# Altium PCB Trepanat.PcbDoc (part 1 of 3) (continued)
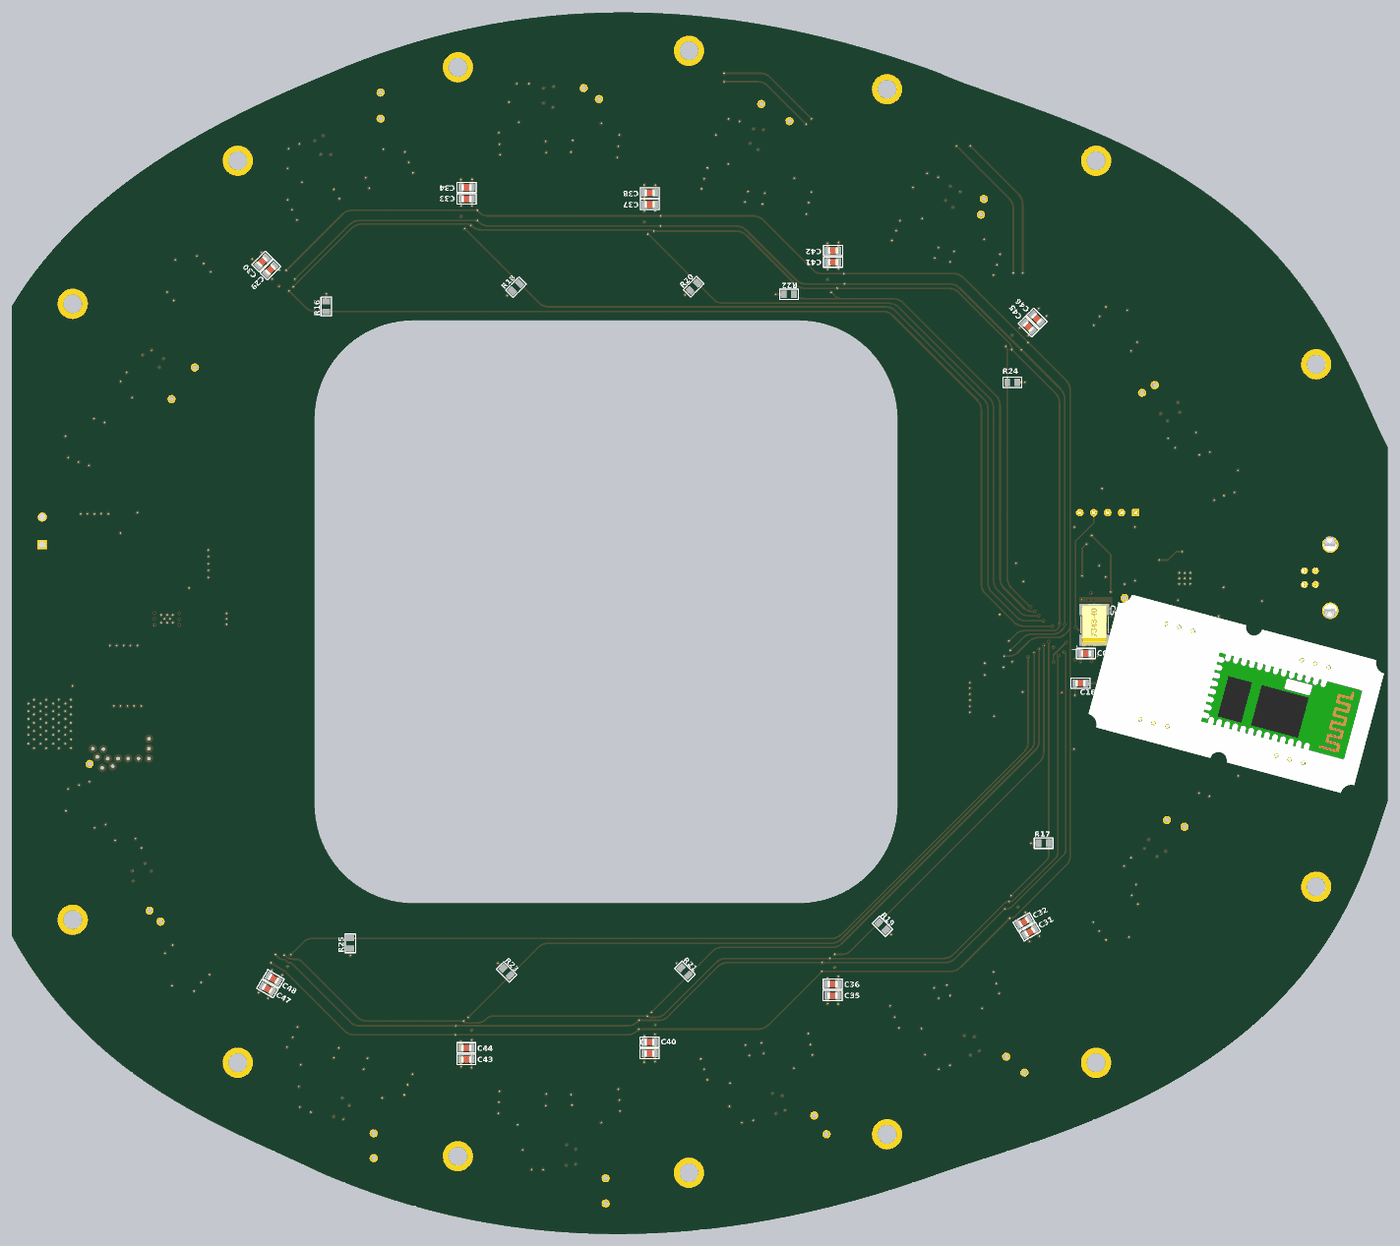
[diagram p7: 3D render of the assembled board from below, using the file's embedded part models]

## Layer stack, top to bottom
Top Solder: solder mask 0.0102, Solder Resist, Dk 3.5
Top Signal Layer: signal copper 0.0356
Dielectric 1: core 0.254, FR-4, Dk 4.2
Power Layer: signal copper 0.036
Dielectric 3: prepreg 0.127, Dk 4.2
Ground Layer: signal copper 0.036
Dielectric 2: core 0.254, Dk 4.2
Bottom Signal Layer: signal copper 0.0356
Bottom Solder: solder mask 0.0102, Solder Resist, Dk 3.5

## Board outline
539.5,595.686 538.159,597.847 536.761,599.918 535.223,602.025 533.581,604.104 531.834,606.157 529.978,608.188 528.013,610.191 525.939,612.165 523.741,614.12 521.417,616.057 518.975,617.965 516.393,619.858 513.672,621.732 510.809,623.584 507.779,625.429 504.596,627.254 501.224,629.077 497.672,630.888 493.899,632.706 489.885,634.537 485.602,636.396 481.761,638 478.616,639.313 475.455,640.542 472.294,641.684 469.123,642.741 465.942,643.715 462.751,644.607 459.547,645.416 456.33,646.144 453.1,646.79 449.493,647.414 445.867,647.937 442.219,648.362 438.549,648.686 434.855,648.91 431.135,649.034 427.389,649.058 423.613,648.979 419.808,648.798 415.972,648.514 412.102,648.126 408.197,647.631 404.257,647.029 400.279,646.319 396.261,645.498 392.203,644.565 388.102,643.517 383.958,642.354 379.768,641.071 375.532,639.668 373.202,638.851 370.865,638 370.342,637.746 369.087,637.202 366.541,636.209 355.493,632.296 351.007,630.663 347.098,629.158 343.505,627.684 340.178,626.226 337.02,624.742 334.056,623.249 331.232,621.723 328.524,620.151 325.951,618.551 323.488,616.906 321.118,615.208 318.853,613.467 316.685,611.68 314.604,609.838 312.611,607.944 310.723,606.015 308.895,604.007 307.277,602.097 305.691,600.09 304.14,597.984 302.621,595.772 301.124,593.433 299.626,590.918 298.135,588.232 296.596,585.254 295.03,582.01 291.58,574.359 290.342,571.67 289.5,570 289.5,505.621 292.431,496.888 293.495,494.056 294.621,491.316 295.759,488.788 296.937,486.391 298.125,484.176 299.348,482.08 300.66,479.998 302.004,478.02 303.525,475.952 305.154,473.902 306.898,471.867 308.728,469.883 310.641,467.955 312.644,466.076 314.743,464.241 316.95,462.443 319.255,460.69 321.657,458.987 324.172,457.323 326.806,455.697 329.56,454.111 332.473,452.545 335.506,451.024 338.662,449.55 341.983,448.104 345.549,446.654 349.392,445.192 353.499,443.728 358.038,442.202 365.04,439.954 368.664,438.775 370.865,438 374.856,436.597 378.826,435.289 382.729,434.09 386.588,432.99 390.406,431.987 394.184,431.079 397.922,430.266 401.623,429.544 405.286,428.914 408.914,428.373 412.508,427.92 416.068,427.554 419.596,427.274 423.093,427.079 426.56,426.968 429.998,426.94 433.409,426.994 436.793,427.13 440.152,427.348 443.486,427.646 446.798,428.025 450.087,428.484 453.356,429.023 456.605,429.642 459.834,430.342 463.402,431.213 466.949,432.184 470.476,433.255 473.986,434.427 477.478,435.7 480.32,436.817 483.147,438 486.558,439.608 496.378,444.099 500.31,445.99 503.837,447.786 506.943,449.468 509.753,451.092 512.366,452.702 514.819,454.315 517.128,455.936 519.321,457.581 521.4,459.246 523.374,460.937 525.261,462.665 527.237,464.604 528.962,466.42 530.63,468.295 532.233,470.222 533.759,472.185 535.215,474.196 536.598,476.249 537.889,478.316 538.706,479.714 539.5,481.153
cut-out: 484.532,575.083 484.532,505.083 484.476,503.671 484.31,502.267 484.034,500.881 483.651,499.521 483.161,498.195 482.57,496.911 481.879,495.678 481.094,494.503 480.219,493.393 479.26,492.355 478.222,491.396 477.112,490.521 475.937,489.736 474.703,489.045 473.42,488.453 472.094,487.964 470.734,487.581 469.347,487.305 467.944,487.139 466.532,487.083 396.532,487.083 395.119,487.139 393.716,487.305 392.33,487.581 390.969,487.964 389.643,488.453 388.36,489.045 387.127,489.736 385.951,490.521 384.841,491.396 383.804,492.355 382.844,493.393 381.969,494.503 381.184,495.678 380.493,496.911 379.902,498.195 379.413,499.521 379.029,500.881 378.753,502.267 378.587,503.671 378.532,505.083 378.532,575.083 378.587,576.495 378.753,577.899 379.029,579.285 379.413,580.645 379.902,581.971 380.493,583.255 381.184,584.488 381.969,585.663 382.844,586.773 383.804,587.811 384.841,588.77 385.951,589.645 387.127,590.431 388.36,591.121 389.643,591.713 390.969,592.202 392.33,592.586 393.716,592.862 395.119,593.028 396.532,593.083 466.532,593.083 467.944,593.028 469.347,592.862 470.734,592.586 472.094,592.202 473.42,591.713 474.703,591.121 475.937,590.431 477.112,589.645 478.222,588.77 479.26,587.811 480.219,586.773 481.094,585.663 481.879,584.488 482.57,583.255 483.161,581.971 483.651,580.645 484.034,579.285 484.31,577.899 484.476,576.495

## Design rules (kind name [scope] priority, off if disabled: settings)
Clearance Clearance_tracks_inner [OnLayer('Power Layer') OR OnLayer('Ground Layer')] p1: gap=0.35 // Зазоры между проводниками на внутренних слоях
Clearance Clearance_1 [All] p2: gap=0.2
ComponentClearance [All] p1: gap=0.01 collisioncheckmode=3 verticalgap=0.1 showdistances=FALSE
HoleSize [All] p1: absolutevalues=TRUE maxlimit=10 minlimit=0.3 maxpercent=80.000 minpercent=20.000
MinimumSolderMaskSliver [All] p1: minsoldermaskwidth=0.15
PolygonConnect PolygonConnect_Via [IsVia] p1: connectstyle=Direct reliefconductorwidth=0.254 reliefentries=4 polygonreliefangle="90 Angle" airgapwidth=0.2
PolygonConnect PolygonConnect_1 [All] p2: connectstyle=Relief reliefconductorwidth=0.254 reliefentries=4 polygonreliefangle="90 Angle" airgapwidth=0.254
RoutingVias [All] p1: holewidth=0.711 width=1.27 viastyle="Through Hole" minholewidth=0.711 minwidth=1.27 maxholewidth=0.711 maxwidth=1.27
SilkToSilkClearance [All] p1: silktosilkclearance=0
SilkToSolderMaskClearance [IsPad] p1: minsilkscreentomaskgap=0 clearancetoexposedcopper=TRUE
SolderMaskExpansion [All] p1: expansion=0.05
Width [All] p1: maxlimit=4 minlimit=0.2 preferedwidth=0.2
Width 3,3В [InNet('3,3В')] p2: maxlimit=2 minlimit=0.2 preferedwidth=1
Width 24В [InNet('24В')] p3: maxlimit=4 minlimit=0.2 preferedwidth=4
Width 5В [InNet('5В')] p4: maxlimit=3 minlimit=0.2 preferedwidth=3
25 further rules are at their usual default settings.

## Classes and differential pairs
component class "4 Pressure": C29 C30 C31 C32 C33 C34 C35 C36 C37 C38 C39 C40 C41 C42 C43 C44 C45 C46 C47 C48 DA4 DA5 DA6 DA7 DA8 DA9 DA10 DA11 DA12 DA13 R16 R17 R18 R19 R20 R21 R22 R23 R24 R25
component class "3 Power": C21 C22 C23 C24 C25 C26 C27 C28 DA2 DA3 FU2 KT2 L2 R14 R15 VD4 VD5 X6
component class "2 Output": C17 C18 C19 C20 DA1 DD2 FU1 R5 R6 R7 R8 R9 R10 R11 R12 R13 VD3 X2 X3 X4 X5
component class "1 MCU": C1 C2 C3 C4 C5 C6 C7 C8 C9 C10 C11 C12 C14 C15 C16 DD1 KT1 L1 R1 R2 R3 R4 S1 VD1 VD2 X1 Z1
component class "5 Sensors": C49 C50 C51 C52 C53 C54 C55 C56 C57 C58 C59 C60 C61 C62 C63 C64 C65 C66 C67 C68 C69 C70 C71 C72 C73 C74 C75 C76 C77 C78 C79 C80 C81 C82 C83 C84 C85 C86 C87 C88 C89 C90 C91 C92 C93 C94 C95 C96 C97 C98 C99 C100 C101 C102 C103 C104 C105 C106 C107 C108 C109 C110 C111 C112 C113 C114 C115 C116 C117 C118 C119 C120 C121 C122 C123 C124 C125 C126 C127 C128 C129 C130 C131 C132 DA14 DA15 DA16 DA17 DA18 DA19 DD3 DD4 DD5 DD6 DD7 DD8 DD9 DD10 DD11 DD12 DD13 DD14 KT3 KT4 KT5 KT6 KT7 KT8 KT9 KT10 KT11 KT12 KT13 KT14
component class "6 Sensors": C133 C134 C135 C136 C137 C138 C139 C140 C141 C142 C143 C144 C145 C146 C147 C148 C149 C150 C151 C152 C153 C154 C155 C156 C157 C158 C159 C160 C161 C162 C163 C164 C165 C166 C167 C168 C169 C170 C171 C172 C173 C174 C175 C176 C177 C178 C179 C180 C181 C182 C183 C184 C185 C186 C187 C188 C189 C190 C191 C192 C193 C194 C195 C196 C197 C198 C199 C200 C201 C202 C203 C204 C205 C206 C207 C208 C209 C210 C211 C212 C213 C214 C215 C216 DA20 DA21 DA22 DA23 DA24 DA25 DD15 DD16 DD17 DD18 DD19 DD20 DD21 DD22 DD23 DD24 DD25 DD26 KT15 KT16 KT17 KT18 KT19 KT20 KT21 KT22 KT23 KT24 KT25 KT26

## Components (designator, comment, footprint, x,y, rotation, side; value= is the part's Value field where it differs from the comment)
C1 "0,1мк" C0805 348.7,525.5 r270 top
C2 "0,1мк" C0805 319.3,535.6 r90 top
C3 "2,2мк" C0805 358.5,542 r90 top
C4 "2,2мк" C0805 342.9,547.3 r0 top
C5 "10мк" "TANTAL CASE D" 342.8,537.7 r90 bottom
C6 "0,1мк" C0805 344.3,532.5 r0 bottom
C7 "0,1мк" C0805 353.9,527 r180 top
C8 "0,1мк" C0805 358.3,528.9 r180 top
C9 "0,1мк" C0805 361.2,529.7 r90 top
C10 "0,1мк" C0805 357,546.7 r270 top
C11 "0,1мк" C0805 339.7,545.1 r0 top
C12 "0,1мк" C0805 339.4,530.5 r90 top
C14 "10мк" "TANTAL CASE D" 360.7,525.1 r0 top
C15 "20" C0805 347.7,516.5 r180 top
C16 "20" C0805 345.3,527.1 r180 bottom
C17 "0,1мк" C0805 331.2,534.9 r195 top
C18 "1мк" C0805 320.2,541.5 r90 top
C19 "0,1мк" C0805 321.6,544.5 r0 top
C20 "1мк" C0805 325.4,542.2 r0 top
C21 "100мк" "TANTAL CASE D" 524.5,553.25 r90 top
C22 "0,1мк" C0805 519.75,552 r270 top
C23 "0,01мк" C0805 508.3,533.6 r0 top
C24 "22мк" "TANTAL CASE D" 508.45,548.8 r180 top
C25 "2,2мк" C0805 509.75,544.4 r0 top
C26 "100мк" "TANTAL CASE D" 519.2,529.3 r90 top
C27 "0,47мк" C0805 526,526.6 r180 top
C28 "33мк" "TANTAL CASE D" 518.5,518.3 r90 top
C29 "0,1мк" C0805 492.525,602.3 r315 bottom
C30 "1мк" C0805 494,603.775 r315 bottom
C31 "1мк" C0805 354.5,481.9 r150 bottom
C32 "0,1мк" C0805 355.6,483.7 r150 bottom
C33 "0,1мк" C0805 456.875,615.15 r0 bottom
C34 "1мк" C0805 456.875,617.25 r0 bottom
C35 "1мк" C0805 390.35,470.3 r180 bottom
C36 "0,1мк" C0805 390.325,472.4 r180 bottom
C37 "0,1мк" C0805 423.575,614.15 r0 bottom
C38 "1мк" C0805 423.575,616.25 r0 bottom
C39 "1мк" C0805 423.625,459.775 r180 bottom
C40 "0,1мк" C0805 423.625,461.85 r180 bottom
C41 "0,1мк" C0805 390.275,603.65 r0 bottom
C42 "1мк" C0805 390.275,605.75 r0 bottom
C43 "1мк" C0805 456.925,458.7 r180 bottom
C44 "0,1мк" C0805 456.925,460.8 r180 bottom
C45 "0,1мк" C0805 354.75,591.925 r45 bottom
C46 "1мк" C0805 353.25,593.425 r45 bottom
C47 "1мк" C0805 493.075,471.55 r210 bottom
C48 "0,1мк" C0805 491.975,473.35 r210 bottom
C49 "4,7мк" C0805 321.694,513.109 r108 top
C50 "4,7мк" C0805 322.894,509.609 r288 top
C51 "4,7мк" C0805 319.794,512.509 r108 top
C52 "4,7мк" C0805 320.994,509.009 r288 top
C53 "4,7мк" C0805 317.894,511.909 r108 top
C54 "4,7мк" C0805 318.005,509.023 r197 top
C55 "4,7мк" C0805 431.9,453 r174 top
C56 "4,7мк" C0805 431.5,449 r174 top
C57 "4,7мк" C0805 431.7,451 r174 top
C58 "4,7мк" C0805 435.4,452.6 r354 top
C59 "4,7мк" C0805 435.2,450.7 r354 top
C60 "4,7мк" C0805 434.2,448 r264 top
C61 "4,7мк" C0805 335.785,482.731 r54 top
C62 "4,7мк" C0805 338.729,481.835 r145 top
C63 "4,7мк" C0805 336.829,485.535 r325 top
C64 "4,7мк" C0805 339.829,483.435 r145 top
C65 "4,7мк" C0805 337.929,487.135 r325 top
C66 "4,7мк" C0805 340.929,485.035 r145 top
C67 "4,7мк" C0805 448.4,452.7 r183 top
C68 "4,7мк" C0805 448.5,450.7 r183 top
C69 "4,7мк" C0805 448.6,448.7 r183 top
C70 "4,7мк" C0805 444.8,452.5 r3 top
C71 "4,7мк" C0805 444.9,450.5 r3 top
C72 "4,7мк" C0805 445.8,447.7 r93 top
C73 "0,1мк" C0805 334.128,494.138 r213 top
C74 "1мк" C0805 335.286,492.381 r213 top
C75 "0,1мк" C0805 445.071,441.15 r90 top
C76 "1мк" C0805 442.971,441.15 r90 top
C77 "4,7мк" C0805 363.655,473.866 r165 top
C78 "4,7мк" C0805 367.155,472.966 r345 top
C79 "4,7мк" C0805 363.1,471.9 r165 top
C80 "4,7мк" C0805 366.6,471 r345 top
C81 "4,7мк" C0805 362.6,470 r165 top
C82 "4,7мк" C0805 365.1,468.5 r255 top
C83 "4,7мк" C0805 469.1,456.8 r199 top
C84 "4,7мк" C0805 469.8,454.9 r199 top
C85 "4,7мк" C0805 470.5,453 r199 top
C86 "4,7мк" C0805 472.5,458 r19 top
C87 "4,7мк" C0805 473.2,456.1 r19 top
C88 "4,7мк" C0805 473.4,453.2 r289 top
C89 "4,7мк" C0805 373.1,465.9 r68 top
C90 "4,7мк" C0805 376,465.5 r158 top
C91 "4,7мк" C0805 373.4,468.8 r338 top
C92 "4,7мк" C0805 376.8,467.4 r158 top
C93 "4,7мк" C0805 374.2,470.7 r338 top
C94 "4,7мк" C0805 377.6,469.3 r158 top
C95 "4,7мк" C0805 485.4,463.5 r206 top
C96 "4,7мк" C0805 486.3,461.7 r206 top
C97 "4,7мк" C0805 487.2,459.9 r206 top
C98 "4,7мк" C0805 482.2,461.9 r26 top
C99 "4,7мк" C0805 483.1,460.1 r26 top
C100 "4,7мк" C0805 485.1,457.9 r116 top
C101 "0,1мк" C0805 371.869,459.083 r71 top
C102 "1мк" C0805 369.819,459.808 r71 top
C103 "0,1мк" C0805 486.175,452.198 r113 top
C104 "1мк" C0805 484.175,451.398 r112 top
C105 "4,7мк" C0805 397.4,462.9 r169 top
C106 "4,7мк" C0805 397,460.9 r169 top
C107 "4,7мк" C0805 396.6,458.9 r169 top
C108 "4,7мк" C0805 400.9,462.2 r349 top
C109 "4,7мк" C0805 400.5,460.3 r349 top
C110 "4,7мк" C0805 399.2,457.7 r259 top
C111 "4,7мк" C0805 505.6,475.7 r220 top
C112 "4,7мк" C0805 506.9,474.2 r220 top
C113 "4,7мк" C0805 508.2,472.7 r220 top
C114 "4,7мк" C0805 508.4,478 r40 top
C115 "4,7мк" C0805 509.7,476.5 r40 top
C116 "4,7мк" C0805 510.9,473.9 r310 top
C117 "4,7мк" C0805 411.9,459.6 r163 top
C118 "4,7мк" C0805 411.3,457.7 r163 top
C119 "4,7мк" C0805 410.7,455.8 r163 top
C120 "4,7мк" C0805 408.5,460.6 r344 top
C121 "4,7мк" C0805 407.8,458.7 r344 top
C122 "4,7мк" C0805 407.8,455.8 r74 top
C123 "4,7мк" C0805 524.6,507.1 r251 top
C124 "4,7мк" C0805 526.5,506.4 r251 top
C125 "4,7мк" C0805 528.4,505.7 r251 top
C126 "4,7мк" C0805 523.4,503.7 r71 top
C127 "4,7мк" C0805 525.3,503 r71 top
C128 "4,7мк" C0805 528.2,502.8 r160 top
C129 "0,1мк" C0805 407.285,449.475 r79 top
C130 "1мк" C0805 405.21,449.875 r79 top
C131 "0,1мк" C0805 518.114,495.859 r330 top
C132 "1мк" C0805 519.183,497.678 r330 top
C133 "4,7мк" C0805 524.7,568.9 r289 top
C134 "4,7мк" C0805 526.6,569.6 r289 top
C135 "4,7мк" C0805 528.5,570.3 r290 top
C136 "4,7мк" C0805 523.5,572.3 r109 top
C137 "4,7мк" C0805 525.4,573 r109 top
C138 "4,7мк" C0805 528.3,573.2 r19 top
C139 "4,7мк" C0805 411.9,616.3 r16 top
C140 "4,7мк" C0805 411.4,618.2 r16 top
C141 "4,7мк" C0805 410.9,620.1 r16 top
C142 "4,7мк" C0805 408.4,615.3 r196 top
C143 "4,7мк" C0805 407.9,617.2 r196 top
C144 "4,7мк" C0805 408,620.1 r106 top
C145 "4,7мк" C0805 508.2,598.144 r142 top
C146 "4,7мк" C0805 509.4,599.644 r142 top
C147 "4,7мк" C0805 507.8,603.344 r322 top
C148 "4,7мк" C0805 505.4,600.344 r322 top
C149 "4,7мк" C0805 506.6,601.844 r322 top
C150 "4,7мк" C0805 510.5,602.3 r232 top
C151 "4,7мк" C0805 397.3,613 r12 top
C152 "4,7мк" C0805 396.9,615 r12 top
C153 "4,7мк" C0805 396.5,616.9 r12 top
C154 "4,7мк" C0805 400.8,613.7 r192 top
C155 "4,7мк" C0805 400.4,615.7 r192 top
C156 "4,7мк" C0805 399.1,618.3 r282 top
C157 "0,1мк" C0805 517.826,580.591 r215 top
C158 "1мк" C0805 516.654,582.212 r215 top
C159 "0,1мк" C0805 407.703,626.968 r283 top
C160 "1мк" C0805 409.795,627.404 r283 top
C161 "4,7мк" C0805 485.4,612.5 r334 top
C162 "4,7мк" C0805 486.3,614.3 r334 top
C163 "4,7мк" C0805 487.2,616.1 r334 top
C164 "4,7мк" C0805 482.3,614 r154 top
C165 "4,7мк" C0805 483.2,615.8 r154 top
C166 "4,7мк" C0805 485,618 r64 top
C167 "4,7мк" C0805 377.3,606.7 r22 top
C168 "4,7мк" C0805 376.6,608.5 r22 top
C169 "4,7мк" C0805 375.9,610.3 r22 top
C170 "4,7мк" C0805 374,605.4 r202 top
C171 "4,7мк" C0805 373.3,607.2 r202 top
C172 "4,7мк" C0805 373,610.1 r112 top
C173 "4,7мк" C0805 468.9,619.1 r341 top
C174 "4,7мк" C0805 469.6,621 r341 top
C175 "4,7мк" C0805 470.3,622.9 r341 top
C176 "4,7мк" C0805 472.3,617.9 r160 top
C177 "4,7мк" C0805 473,619.8 r160 top
C178 "4,7мк" C0805 473.2,622.7 r251 top
C179 "4,7мк" C0805 363.3,602 r16 top
C180 "4,7мк" C0805 362.7,603.9 r16 top
C181 "4,7мк" C0805 362.1,605.8 r16 top
C182 "4,7мк" C0805 366.7,603 r196 top
C183 "4,7мк" C0805 366.1,604.9 r196 top
C184 "4,7мк" C0805 364.6,607.3 r286 top
C185 "0,1мк" C0805 486.275,623.1 r247 top
C186 "1мк" C0805 488.225,622.25 r247 top
C187 "0,1мк" C0805 371.965,616.908 r289 top
C188 "1мк" C0805 373.965,617.608 r289 top
C189 "4,7мк" C0805 448.4,623.3 r357 top
C190 "4,7мк" C0805 448.5,625.3 r357 top
C191 "4,7мк" C0805 448.6,627.3 r357 top
C192 "4,7мк" C0805 444.8,623.5 r177 top
C193 "4,7мк" C0805 444.9,625.5 r177 top
C194 "4,7мк" C0805 445.8,628.2 r87 top
C195 "4,7мк" C0805 340.9,590.9 r35 top
C196 "4,7мк" C0805 339.8,592.5 r35 top
C197 "4,7мк" C0805 338.7,594.1 r35 top
C198 "4,7мк" C0805 338,588.9 r215 top
C199 "4,7мк" C0805 336.9,590.5 r215 top
C200 "4,7мк" C0805 336,593.2 r125 top
C201 "4,7мк" C0805 431.8,623 r6 top
C202 "4,7мк" C0805 431.6,625 r6 top
C203 "4,7мк" C0805 431.4,627 r6 top
C204 "4,7мк" C0805 435.4,623.4 r186 top
C205 "4,7мк" C0805 435.2,625.4 r186 top
C206 "4,7мк" C0805 434.1,628.1 r276 top
C207 "4,7мк" C0805 321.8,562.8 r72 top
C208 "4,7мк" C0805 319.9,563.4 r72 top
C209 "4,7мк" C0805 318,564 r72 top
C210 "4,7мк" C0805 322.9,566.2 r252 top
C211 "4,7мк" C0805 321,566.8 r252 top
C212 "4,7мк" C0805 318.2,566.9 r342 top
C213 "0,1мк" C0805 445.575,633.704 r270 top
C214 "1мк" C0805 447.775,633.704 r270 top
C215 "0,1мк" C0805 327.5,572.9 r144 top
C216 "1мк" C0805 326.2,571.2 r144 top
DA1 "HC-05" HC-05 329.8,537.9 r105 bottom
DA2 "LM22675" "SO PowerPAD-8" 511.35,538.8 r0 top
DA3 "LM3940" TO-263-3 524.4,519.5 r270 top
DA4 "BMP280" BMP280 490.3,600 r315 top locked
DA5 "BMP280" BMP280 357,486.3 r150 top locked
DA6 "BMP280" BMP280 456.904,612 r0 top locked
DA7 "BMP280" BMP280 390.3,475.5 r180 top locked
DA8 "BMP280" BMP280 423.6,611 r0 top locked
DA9 "BMP280" BMP280 423.6,465 r180 top locked
DA10 "BMP280" BMP280 390.3,600.5 r0 top locked
DA11 "BMP280" BMP280 456.904,464 r180 top locked
DA12 "BMP280" BMP280 357,589.7 r45 top locked
DA13 "BMP280" BMP280 490.3,476 r210 top locked
DA14 "TTP224N-BSB" SSOP16 331.45,497.55 r33 top
DA15 "TTP224N-BSB" SSOP16 438.65,441.25 r270 top
DA16 "TTP224N-BSB" SSOP16 365.75,461.225 r251 top
DA17 "TTP224N-BSB" SSOP16 480.15,449.925 r293 top
DA18 "TTP224N-BSB" SSOP16 400.875,450.65 r259 top
DA19 "TTP224N-BSB" SSOP16 515.85,492.15 r150 top
DA20 "TTP224N-BSB" SSOP16 514.15,585.7 r215 top
DA21 "TTP224N-BSB" SSOP16 403.5,626 r103 top
DA22 "TTP224N-BSB" SSOP16 482.35,624.925 r67 top
DA23 "TTP224N-BSB" SSOP16 367.9,615.45 r109 top
DA24 "TTP224N-BSB" SSOP16 441.25,633.725 r90 top
DA25 "TTP224N-BSB" SSOP16 329.125,577.025 r325 top
DD1 "" LQPF100 348.875,537.5 r90 top
DD2 "CP2103-GM" QFN28 326.358,546.15 r0 top
DD3 "1 сенсор" SENSOR#1 327.4,512.7 r198 top locked
DD4 "7 сенсор" SENSOR#2 449.4,408.1 r0 top
DD5 "2 сенсор" SENSOR#1 342.1,490.6 r235 top locked
DD6 "8 сенсор" SENSOR#3 445.9,457.8 r183 top locked
DD7 "3 сенсор" SENSOR#1 367.1,478.3 r255 top locked
DD8 "9 сенсор" SENSOR#1 469.4,462.4 r109 top locked
DD9 "4 сенсор" SENSOR#1 377.55,474.9 r158 top locked
DD10 "10 сенсор" SENSOR#1 481.1,467.2 r116 top locked
DD11 "5 сенсор" SENSOR#1 400.6,467.6 r259 top locked
DD12 "11 сенсор" SENSOR#1 504,481.1 r219 top locked
DD13 "6 сенсор" SENSOR#1 411.2,465.2 r164 top locked
DD14 "12 сенсор" SENSOR#1 519,506.7 r161 top locked
DD15 "13 сенсор" SENSOR#1 519.1,569.3 r109 top locked
DD16 "19 сенсор" SENSOR#1 411.2,610.7 r106 top
DD17 "14 сенсор" SENSOR#1 504,594.9 r142 top locked
DD18 "20 сенсор" SENSOR#1 400.6,608.4 r102 top locked
DD19 "15 сенсор" SENSOR#1 481.1,608.8 r154 top locked
DD20 "21 сенсор" SENSOR#1 377.3,601.1 r112 top locked
DD21 "16 сенсор" SENSOR#1 469.3,613.5 r161 top locked
DD22 "22 сенсор" SENSOR#1 367,597.6 r106 top locked
DD23 "17 сенсор" SENSOR#1 445.9,618.2 r87 top locked
DD24 "23 сенсор" SENSOR#1 342.1,585.4 r125 top locked
DD25 "18 сенсор" SENSOR#1 434.6,618.1 r96 top locked
DD26 "24 сенсор" SENSOR#1 327.4,563.3 r162 top locked
FU1 "MF-MSMF050" R1812 308.3,543.5 r90 top
FU2 "MF-MSMF150" R1812 528.5,546.75 r180 top
KT1 "KT" КТ 337.3,542.6 r90 top
KT2 "KT" КТ 525.4,512.4 r90 top
KT3 "KT" КТ 329.6,502.2 r90 top
KT4 "KT" КТ 326.4,501 r90 top
KT5 "KT" КТ 431.6,432.5 r90 top
KT6 "KT" КТ 431.6,437.1 r90 top
KT7 "KT" КТ 355.5,456.3 r90 top
KT8 "KT" КТ 358.8,459.2 r90 top
KT9 "KT" КТ 473.75,440.75 r90 top
KT10 "KT" КТ 473.75,445.25 r90 top
KT11 "KT" КТ 391.455,445.083 r90 top
KT12 "KT" КТ 393.7,448.5 r90 top
KT13 "KT" КТ 512.5,483.75 r90 top
KT14 "KT" КТ 514.5,485.75 r90 top
KT15 "KT" КТ 510.5,578.75 r90 top
KT16 "KT" КТ 506.25,584.5 r90 top
KT17 "KT" КТ 398.2,629.3 r90 top
KT18 "KT" КТ 403.3,632.4 r90 top
KT19 "KT" КТ 472.5,629.75 r90 top
KT20 "KT" КТ 472.5,634.5 r90 top
KT21 "KT" КТ 362.858,615.142 r90 top
KT22 "KT" КТ 363.4,612.3 r90 top
KT23 "KT" КТ 432.8,633.3 r90 top
KT24 "KT" КТ 435.6,635.3 r90 top
KT25 "KT" КТ 334.1,579.9 r90 top
KT26 "KT" КТ 331.8,581.3 r90 top
L1 "BLM18PG181" L0603 358.5,521.1 r180 top
L2 "22мкГн" IND_B82464G4223M 509.9,527.1 r0 top
R1 "10к" R0805 321.4,535.6 r270 top
R2 "47" R0805 339.7,554.9 r90 top
R3 "47" R0805 342,554.9 r90 top
R4 "10к" R0805 339,535.5 r90 top
R5 "47" R0805 328,521.5 r15 top
R6 "10к" R0805 331.6,522.5 r195 top
R7 "10к" R0805 322.4,541.5 r270 top
R8 "10к" R0805 336.399,547.244 r0 top
R9 "10к" R0805 336.399,553.994 r0 top
R10 "1к" R0805 336.399,549.494 r180 top
R11 "1к" R0805 336.399,551.744 r180 top
R12 "24" R0805 308.1,548.2 r0 top
R13 "24" R0805 308.1,550.5 r0 top
R14 "150" R0805 516.75,552 r90 top
R15 "10к" R0805 515.65,542.5 r270 top
R16 "10к" R0805 482.4,595.6 r270 bottom
R17 "10к" R0805 352,498 r180 bottom
R18 "10к" R0805 447.9,599.1 r135 bottom
R19 "10к" R0805 381.3,482.9 r45 bottom
R20 "10к" R0805 415.6,599.2 r135 bottom
R21 "10к" R0805 417.2,474.7 r225 bottom
R22 "10к" R0805 398.3,597.8 r180 bottom
R23 "10к" R0805 449.6,474.6 r225 bottom
R24 "10к" R0805 357.7,581.8 r0 bottom
R25 "10к" R0805 478,479.8 r90 bottom
S1 "RESET" Button_SMD 314.2,533.8 r90 top
VD1 "SS14" SMA 337.3,562.5 r0 top
VD2 "PESD3V3S2UT" SOT23-3 345.1,554.5 r90 top
VD3 "USB6B1" SO8 314.2,546.2 r270 top
VD4 "KPT-1608ID" D0603 516.75,556 r90 top
VD5 "SS14" SMA 504.6,538.8 r180 top
X1 "" PLS-5 342.9,558.1 r90 top
X2 "Перемычка" PLS2-2 328.224,534.145 r105 top
X3 "Перемычка" PLS2-2 326.7,523.8 r285 top
X4 "" PLS-6 309.2,521.5 r0 top
X5 "670687041" USBB-J1 299.9,552.311 r270 top
X6 "Вход питания" DT-128V-2 534,554.8 r90 top
Z1 "8МГц" QSMD5.0x3.2x1.0 348.6,522.4 r270 top

## Footprints (in the part's own frame and the unit in brackets; to place one, negate y for a bottom-side part, rotate by r counter-clockwise, add the part's x,y. Pads: shape width x height; smd on the part's side, far side on the other; paste and mask are expansions set on the pad)
BMP280 [mm]
  rect 0.35x0.5 smd: 1(0.975,-0.8) 2(0.325,-0.8) 3(-0.325,-0.8) 4(-0.975,-0.8) 5(-0.975,0.8) 6(-0.325,0.8) 7(0.325,0.8) 8(0.975,0.8)
  Top Signal Layer circle w3: c0,0 r4.5
  silkscreen extent -3,-3 3,3, body extent -1.25,-1 1.25,1, height 1
Button_SMD [mm] "Кнопка"
  rect 2.1x1.4 smd: 1(-4.6,2.15) 2(4.5,2.15) 3(-4.6,-2.15) 4(4.5,-2.15)
  silkscreen extent -6.22,-3.75 6,3.7, body extent -4.5,-3 4.5,3, height 7
C0805 [mm]
  rect 1x1.4 smd: 1(-1,0) 2(1,0)
  silkscreen extent -1.73,-0.93 1.73,0.93, body extent -1,-0.62 1,0.63, height 0.78
D0603 [mm]
  rect 1x1.1 smd: 1(-0.8,0) 2(0.8,0)
  silkscreen extent -1.53,-1.35 1.53,0.78, body extent -0.8,-0.4 0.8,0.4, height 0.6
DT-128V-2 [mm]
  rect 1.7x1.7 hole 1.2: 1(-2.5,0)
  round 1.7 hole 1.2: 2(2.5,0)
  silkscreen extent -5.25,-5.1 5,5.1, body extent -5.3,-5.09 5,5.11, height 14.3
HC-05 [mm]
  round 1.4 hole 0.8: 1(0,-2.54) 3(-18,0) 4(0,-5.08) 5(-18,-5.08) ""(-18,-25.58) ""(-18,-30.66) ""(-18,-2.54) ""(-18,-28.12) ""(0,-28.12) ""(0,-25.58) ""(0,-30.66)
  rect 1.4x1.4 hole 0.8: 2(0,0)
  silkscreen extent -21,-31.83 3,1.25, body extent -21.47,-40.67 3.53,9.33, height 5.67
IND_B82464G4223M [mm] "22 мкГн, 2.25 А, 10х10, Катушка индуктивности SMD"
  rect 3x3.6 smd: 1(-4.1,0) 2(4.1,0)
  silkscreen extent -5.2,-4.8 5.2,4.8, body extent -5.2,-5.2 5.2,5.2, height 4.8
L0603 [mm]
  rect 1x1.1 smd: 1(-0.8,0) 2(0.8,0)
  silkscreen extent -1.53,-0.78 1.53,0.78, body extent -0.8,-0.4 0.8,0.4, height 0.8
LQPF100 [mm] "Микроконтроллер STM32F407VGT6"
  rect 1.2x0.3 smd: 1(-7.75,6) 2(-7.75,5.5) 3(-7.75,5) 4(-7.75,4.5) 5(-7.75,4) 6(-7.75,3.5) 7(-7.75,3) 8(-7.75,2.5) 9(-7.75,2) 10(-7.75,1.5) 11(-7.75,1) 12(-7.75,0.5) 13(-7.75,0) 14(-7.75,-0.5) 15(-7.75,-1) 16(-7.75,-1.5) 17(-7.75,-2) 18(-7.75,-2.5) 19(-7.75,-3) 20(-7.75,-3.5) 21(-7.75,-4) 22(-7.75,-4.5) 23(-7.75,-5) 24(-7.75,-5.5) 25(-7.75,-6) 51(7.75,-6) 52(7.75,-5.5) 53(7.75,-5) 54(7.75,-4.5) 55(7.75,-4) 56(7.75,-3.5) 57(7.75,-3) 58(7.75,-2.5) 59(7.75,-2) 60(7.75,-1.5) 61(7.75,-1) 62(7.75,-0.5) 63(7.75,0) 64(7.75,0.5) 65(7.75,1) 66(7.75,1.5) 67(7.75,2) 68(7.75,2.5) 69(7.75,3) 70(7.75,3.5) 71(7.75,4) 72(7.75,4.5) 73(7.75,5) 74(7.75,5.5) 75(7.75,6)
  rect 0.3x1.2 smd: 26(-6,-7.75) 27(-5.5,-7.75) 28(-5,-7.75) 29(-4.5,-7.75) 30(-4,-7.75) 31(-3.5,-7.75) 32(-3,-7.75) 33(-2.5,-7.75) 34(-2,-7.75) 35(-1.5,-7.75) 36(-1,-7.75) 37(-0.5,-7.75) 38(0,-7.75) 39(0.5,-7.75) 40(1,-7.75) 41(1.5,-7.75) 42(2,-7.75) 43(2.5,-7.75) 44(3,-7.75) 45(3.5,-7.75) 46(4,-7.75) 47(4.5,-7.75) 48(5,-7.75) 49(5.5,-7.75) 50(6,-7.75) 76(6,7.75) 77(5.5,7.75) 78(5,7.75) 79(4.5,7.75) 80(4,7.75) 81(3.5,7.75) 82(3,7.75) 83(2.5,7.75) 84(2,7.75) 85(1.5,7.75) 86(1,7.75) 87(0.5,7.75) 88(0,7.75) 89(-0.5,7.75) 90(-1,7.75) 91(-1.5,7.75) 92(-2,7.75) 93(-2.5,7.75) 94(-3,7.75) 95(-3.5,7.75) 96(-4,7.75) 97(-4.5,7.75) 98(-5,7.75) 99(-5.5,7.75) 100(-6,7.75)
  silkscreen extent -7.1,-7.1 7.1,7.1, body extent -8.07,-8.07 8.07,8.07, height 1.62
PLS2-2 [mm]
  rect 1.2x1.2 hole 0.7: 1(0,2.54)
  round 1.2 hole 0.7: 2(0,0)
  silkscreen extent -0.93,-0.99 0.93,3.53, body extent -1.25,-1.27 1.29,3.81, height 8.54
PLS-5 [mm]
  rect 1.4x1.4 hole 0.8: 1(0,7.62)
  round 1.4 hole 0.8: 2(0,5.08) 3(0,2.54) 5(0,-2.54)
  round 1.4 hole 0.8 mask+0.102: 4(0,0)
  silkscreen extent -0.93,-3.56 0.93,8.48, body extent -1.27,-3.81 1.27,8.89, height 8.54
PLS-6 [mm]
  rect 1.4x1.4 hole 0.8: 1(0,7.62)
  round 1.4 hole 0.8: 2(0,5.08) 3(0,2.54) 5(0,-2.54) 6(0,-5.08)
  round 1.4 hole 0.8 mask+0.102: 4(0,0)
  silkscreen extent -0.93,-6.2 0.93,8.48
QFN28 [mm] "QFN, 28-Leads, Body 5,0x5,0mm (max), Pitch 0,50mm, IPC Medium Density"
  rect 0.6x0.25 smd mask+0.1: 1(-2.45,1.5)
  rect 0.6x0.25 smd: 2(-2.45,1) 3(-2.45,0.5) 4(-2.45,0) 5(-2.45,-0.5) 6(-2.45,-1) 7(-2.45,-1.5) 15(2.45,-1.5) 16(2.45,-1) 17(2.45,-0.5) 18(2.45,0) 19(2.45,0.5) 20(2.45,1) 21(2.45,1.5)
  rect 3.15x3.15 smd: 2(0,0)
  rect 0.25x0.6 smd: 8(-1.5,-2.45) 9(-1,-2.45) 10(-0.5,-2.45) 11(0,-2.45) 12(0.5,-2.45) 13(1,-2.45) 14(1.5,-2.45) 22(1.5,2.45) 23(1,2.45) 24(0.5,2.45) 25(0,2.45) 26(-0.5,2.45) 27(-1,2.45) 28(-1.5,2.45)
  silkscreen extent -3.3,-2.5 2.5,2.5, body extent -2.52,-2.52 2.52,2.52, height 0.9
QSMD5.0x3.2x1.0 [mm] "Кварцевый резонатор KX-9A 8MHz"
  rect 1.6x1.25 smd: 1(0,-2.2) 2(3.7,0) ""(0,0) ""(3.7,-2.2)
  silkscreen extent -1.05,-3.08 4.72,0.85, body extent -0.65,-2.7 4.35,0.5, height 1.01
R0805 [mm] "Chip Resistor, 2-Leads, Body 2,10x1,30mm, IPC Medium Density"
  rect 1.05x1.4 smd: 1(-0.925,0) 2(0.925,0)
  silkscreen extent -1.7,-0.95 1.7,0.95, body extent -1.1,-0.7 1.1,0.7, height 0.55
R1812 [mm]
  rect 1.95x3.4 smd: 1(-2.1,0) 2(2.1,0)
  silkscreen extent -3.3,-1.93 3.3,1.93, body extent -2.81,-1.6 2.81,1.6, height 2.54
SENSOR#1 [mm]
  rect 8x8 smd: 1(0,0)
SENSOR#2 [mm]
  rect 8x8 smd rot 174: 1(-14.8,49.8)
SENSOR#3 [mm]
  rect 8x8 smd: 1(0.2,-0.01)
SMA [mm]
  rect 2.2x1.8 smd: 1(-2,0) 2(2,0)
  silkscreen extent -3.04,-1.46 2.29,1.46, body extent -2.5,-1.35 2.5,1.35, height 2.15
SO8 [mm]
  rect 1.9x0.6 smd: 1(-2.4,1.905) 2(-2.4,0.635) 3(-2.4,-0.635) 4(-2.4,-1.905) 5(2.4,-1.905) 6(2.4,-0.635) 7(2.4,0.635) 8(2.4,1.905)
  silkscreen extent -2.74,-2.5 2,3.03, body extent -3,-2.54 3,2.54, height 1.7
"SO PowerPAD-8" [mm]
  rect 0.61x1.91 smd: 1(-1.905,-2.78) 2(-0.635,-2.78) 3(0.635,-2.78) 4(1.905,-2.78) 5(1.905,2.78) 6(0.635,2.78) 7(-0.635,2.78) 8(-1.905,2.78)
  rect 3.1x2.41 smd: 6(0,0)
  silkscreen extent -3.59,-3.25 2.75,3.25, body extent -2.45,-2.93 2.45,2.85, height 1.45
SOT23-3 [mm]
  rect 0.9x0.8 smd: 1(-1,0.95) 2(-1,-0.95)
  rect 0.8x0.8 smd: 3(1,0)
  silkscreen extent -0.3,-1.52 0.7,1.52, body extent -1.15,-1.5 1.15,1.5, height 1.1
SSOP16 [mm]
  rect 1.8x0.45 smd: 1(-3.7,2.275) 2(-3.7,1.625) 3(-3.7,0.975) 4(-3.7,0.325) 5(-3.7,-0.325) 6(-3.7,-0.975) 7(-3.7,-1.625) 8(-3.7,-2.275) 9(3.7,-2.275) 10(3.7,-1.625) 11(3.7,-0.975) 12(3.7,-0.325) 13(3.7,0.325) 14(3.7,0.975) 15(3.7,1.625) 16(3.7,2.275)
  silkscreen extent -2.65,-3.1 2.65,3.1, body extent -3.95,-3.16 3.95,3.16, height 1.97
"TANTAL CASE D" [mm] "Конденсатор танталовый SMD"
  rect 2x5.4 smd: 1(-2.8,0) 2(2.8,0)
  silkscreen extent -5.2,-2.5 1.5,4, body extent -3.8,-2.3 3.8,2.3, height 4
TO-263-3 [mm]
  rect 1.07x2.16 smd: 1(-2.54,0) 2(0,0) 3(2.54,0)
  rect 10.8x10.41 smd: 4(0,8.315)
  silkscreen extent -5.26,0 5.23,13.54, body extent -5.07,-0.89 5.09,13.34, height 4.87
USBB-J1 [mm]
  round 1.3 hole 0.92: 1(7.27,4.71) 2(4.77,4.71) 3(4.77,2.71) 4(7.27,2.71)
  round 3 hole 2.4: 4(0,0) 4(12.04,0)
  silkscreen extent 0.04,-10.29 12.08,5.71, body extent -1.4,-10.3 13.4,6.2, height 11
КТ [mm] "Контрольная точка"
  round 1.5 hole 0.9: 1(0,0)

## Part data
C1 C2 C3 C4 C6 C7 C8 C9 C10 C11 C12 C15 C16 C17 C18 C19 C20 C22 C23 C25 C27 C29 C30 C31 C32 C33 C34 C35 C36 C37 C38 C39 C40 C41 C42 C43 C44 C45 C46 C47 C48 C49 C50 C51 C52 C53 C54 C55 C56 C57 C58 C59 C60 C61 C62 C63 C64 C65 C66 C67 C68 C69 C70 C71 C72 C73 C74 C75 C76 C77 C78 C79 C80 C81 C82 C83 C84 C85 C86 C87 C88 C89 C90 C91 C92 C93 C94 C95 C96 C97 C98 C99 C100 C101 C102 C103 C104 C105 C106 C107 C108 C109 C110 C111 C112 C113 C114 C115 C116 C117 C118 C119 C120 C121 C122 C123 C124 C125 C126 C127 C128 C129 C130 C131 C132 C133 C134 C135 C136 C137 C138 C139 C140 C141 C142 C143 C144 C145 C146 C147 C148 C149 C150 C151 C152 C153 C154 C155 C156 C157 C158 C159 C160 C161 C162 C163 C164 C165 C166 C167 C168 C169 C170 C171 C172 C173 C174 C175 C176 C177 C178 C179 C180 C181 C182 C183 C184 C185 C186 C187 C188 C189 C190 C191 C192 C193 C194 C195 C196 C197 C198 C199 C200 C201 C202 C203 C204 C205 C206 C207 C208 C209 C210 C211 C212 C213 C214 C215 C216: library part Capacitor, "Конденсатор"
C5 C14 C21 C24 C26 C28: library part Capacitor_pol, "Конденсатор полярный"
DA1: "Bluetooth HC-05"
DA2: "3-A Step-Down Voltage Regulator"
DA3: "Low-Dropout Regulator for 5-V to 3.3-V Conversion"
DA4 DA5 DA6 DA7 DA8 DA9 DA10 DA11 DA12 DA13: "BMP280 Barometric Sensor"
DA14 DA15 DA16 DA17 DA18 DA19 DA20 DA21 DA22 DA23 DA24 DA25: "4 keys Touch Pad Detector IC"
DD1: library part STM32F407VGT6, "Микроконтроллер"
DD2: library part CP2103, "USB-UART преобразователь"
DD3 DD4 DD5 DD6 DD7 DD8 DD9 DD10 DD11 DD12 DD13 DD14 DD15 DD16 DD17 DD18 DD19 DD20 DD21 DD22 DD23 DD24 DD25 DD26: library part Sensor, "Сенсорная площадка"
FU1 FU2: library part Fuse, "Предохранитель"
KT1 KT2 KT3 KT4 KT5 KT6 KT7 KT8 KT9 KT10 KT11 KT12 KT13 KT14 KT15 KT16 KT17 KT18 KT19 KT20 KT21 KT22 KT23 KT24 KT25 KT26: "Контрольная точка"
L1 L2: library part Inductor, "Катушка индуктивности"
R1 R2 R3 R4 R5 R6 R7 R8 R9 R10 R11 R12 R13 R14 R15 R16 R17 R18 R19 R20 R21 R22 R23 R24 R25: library part Resistor, "Резистор"
S1: library part Button_SMD, "Кнопка"
VD1 VD5: library part DiodeSchottky, "Диод Шоттки"
VD2: "Сборка TVS-диодов"
VD3: "Защита линии данных"
VD4: library part LED_L, "Светодиод"
X1: library part Header_5_sct, "Разъем - 4 конт. розетка"
X2 X3: library part Header_2_plg, "Разъем - 2 конт. вилка"
X4: library part Header_6_sct, "Разъем - 5 конт. розетка"
X5: library part Header_4_sct, "Разъем - 4 конт. розетка"
X6: library part Header_2_sct, "Разъем - 2 конт. розетка"
Z1: library part Crystal, "Кварцевый резонатор"

## Free pads (board coordinates)
  round 5.5 hole 3.4: 1(302.461,490.083) 1(302.461,585.083) 1(342.461,458.083) 1(342.461,622.083) 1(380.461,445.083) 1(380.461,635.083) 1(416.461,438.083) 1(416.461,642.083) 1(458.461,441.083) 1(458.461,639.083) 1(498.461,458.083) 1(498.461,622.083) 1(528.461,484.083) 1(528.461,596.083)

## Via types
v1: diameter 0.7, hole 0.3, Top Signal Layer to Bottom Signal Layer, tented both sides, 512 vias
v2: diameter 1.5, hole 0.7, Top Signal Layer to Bottom Signal Layer, tented both sides, 12 vias

## Nets (pads, with @x,y where several pads share a name; then routed paths per layer and width w, separated by ;. In a path a pad name is that pad's centre, name@x,y a point inside that pad or via, vN(x,y) a via of type N, cw(c..) or ccw(c..) an arc to the next point about the centre after c; other vN are vias at no path point)
1_SENSOR: DA14.16 DD1.98 KT3.1 | length 40.4
  Top Signal Layer w0.3: KT3.1@329.6,502.2 330.888,500.912 ccw(c331.4,501.424) 331.4,500.7 331.959,500.7 DA14.16@333.314,501.473 334.5,502.25 336.756,504.506 ccw(c334.96,506.302) 337.5,506.302 337.5,531.043 cw(c339.207,531.043) 338,532.25 cw(c338.604,531.646) 338.604,532.5 DD1.98@341.125,532.5
2_SENSOR: DA14.13 DD1.1 KT4.1 | length 41.9
  Top Signal Layer w0.3: KT4.1@326.4,501 328.2,500.5 333.5,499.259 DA14.13@334.376,499.838 335.75,500.75 342.131,507.131 ccw(c340.335,508.927) 342.875,508.927 DD1.1@342.875,529.75